# Altium PCB ADV7611采集卡.PcbDoc (part 1 of 2) (continued)
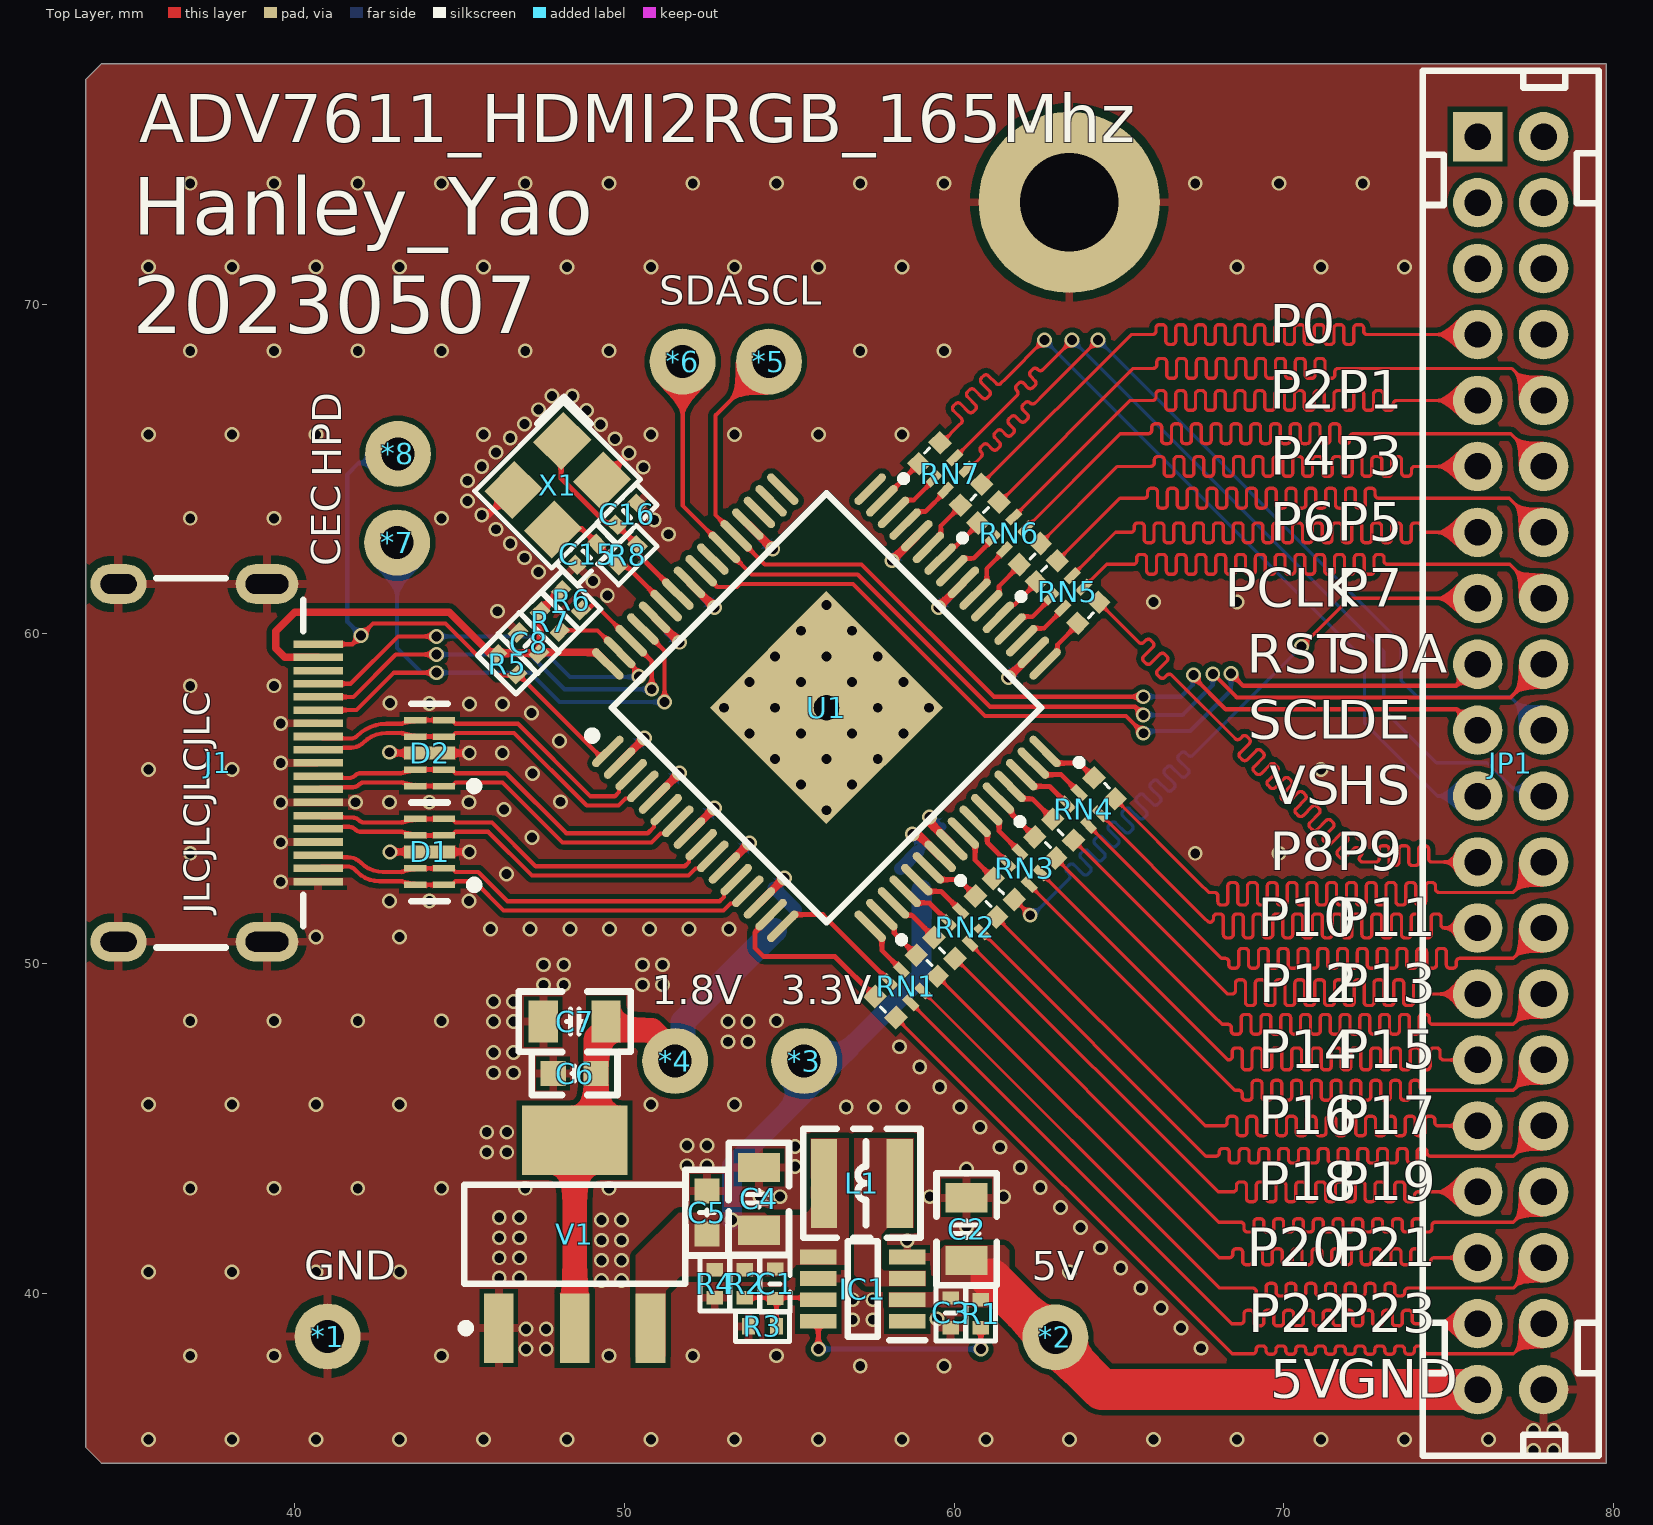
[diagram p0: Top Layer view]
## Footprints (in the part's own frame and the unit in brackets; to place one, negate y for a bottom-side part, rotate by r counter-clockwise, add the part's x,y. Pads: shape width x height; smd on the part's side, far side on the other; paste and mask are expansions set on the pad)
685119136923 [mm] "Mini HDMI SMT Horizontal"
  rect 0.23x1.5 smd: 1(3.6,4.25) 2(3.2,4.25) 3(2.8,4.25) 4(2.4,4.25) 5(2,4.25) 6(1.6,4.25) 7(1.2,4.25) 8(0.8,4.25) 9(0.4,4.25) 10(0,4.25) 11(-0.4,4.25) 12(-0.8,4.25) 13(-1.2,4.25) 14(-1.6,4.25) 15(-2,4.25) 16(-2.4,4.25) 17(-2.8,4.25) 18(-3.2,4.25) 19(-3.6,4.25)
  oval 1.2x1.9 hole 0.6 slot 1.3 at 90 deg: Shell(-5.425,2.7) Shell(5.425,2.7)
  oval 1.2x1.7 hole 0.6 slot 1.1 at 90 deg: Shell(-5.425,-1.8) Shell(5.425,-1.8)
  silkscreen extent -5.6,-0.65 5.6,3.8, body extent -5.62,-3.8 5.63,4.1, height 3.3
ADI-SW-64-2_L [mm] "LQFP, 64-Leads, Body 10.00x10.00mm, Pitch 0.50mm, Thermal Pad 5x5mm, IPC High Density"
  oval 1.25x0.25 smd: 1(-5.625,3.75) 2(-5.625,3.25) 3(-5.625,2.75) 4(-5.625,2.25) 5(-5.625,1.75) 6(-5.625,1.25) 7(-5.625,0.75) 8(-5.625,0.25) 9(-5.625,-0.25) 10(-5.625,-0.75) 11(-5.625,-1.25) 12(-5.625,-1.75) 13(-5.625,-2.25) 14(-5.625,-2.75) 15(-5.625,-3.25) 16(-5.625,-3.75) 33(5.625,-3.75) 34(5.625,-3.25) 35(5.625,-2.75) 36(5.625,-2.25) 37(5.625,-1.75) 38(5.625,-1.25) 39(5.625,-0.75) 40(5.625,-0.25) 41(5.625,0.25) 42(5.625,0.75) 43(5.625,1.25) 44(5.625,1.75) 45(5.625,2.25) 46(5.625,2.75) 47(5.625,3.25) 48(5.625,3.75)
  oval 0.25x1.25 smd: 17(-3.75,-5.625) 18(-3.25,-5.625) 19(-2.75,-5.625) 20(-2.25,-5.625) 21(-1.75,-5.625) 22(-1.25,-5.625) 23(-0.75,-5.625) 24(-0.25,-5.625) 25(0.25,-5.625) 26(0.75,-5.625) 27(1.25,-5.625) 28(1.75,-5.625) 29(2.25,-5.625) 30(2.75,-5.625) 31(3.25,-5.625) 32(3.75,-5.625) 49(3.75,5.625) 50(3.25,5.625) 51(2.75,5.625) 52(2.25,5.625) 53(1.75,5.625) 54(1.25,5.625) 55(0.75,5.625) 56(0.25,5.625) 57(-0.25,5.625) 58(-0.75,5.625) 59(-1.25,5.625) 60(-1.75,5.625) 61(-2.25,5.625) 62(-2.75,5.625) 63(-3.25,5.625) 64(-3.75,5.625)
  rect 5x5 smd: 65(0,0)
  rrect50% 1.524x1.524 hole 0.762: 65(0,0)
  silkscreen extent -5.75,-4.6 4.6,4.6, body extent -5,-5 5,5, height 1.6
C0402_L [mm] "无极性贴片电容"
  rect 0.4x0.5 smd: 1(-0.45,0) 2(0.45,0)
  silkscreen extent -0.85,-0.45 0.85,0.45, body extent -0.5,-0.26 0.5,0.26, height 0.54
C0603_L [mil] "无极性贴片电容"
  rect 30x30 smd: 1(-25.59,0) 2(25.59,0)
  silkscreen extent -51,-26 51,26, body extent -31,-16 32,16, height 33
C0805_L [mil] "无极性贴片电容"
  rect 35x50 smd: 1(-37.4,0) 2(37.4,0)
  silkscreen extent -67,-36 67,36, body extent -39,-24 39,24, height 22
EXB28V510JX [mm]
  rect 0.525x0.5 smd: 1(-0.888,-0.45) 4(0.888,-0.45) 5(0.888,0.45) 8(-0.888,0.45)
  rect 0.25x0.5 smd: 2(-0.25,-0.45) 3(0.25,-0.45) 6(0.25,0.45) 7(-0.25,0.45)
  silkscreen extent -1,-1.2 1,0.1, body extent -1,-0.5 1,0.5, height 0.35
FP-SLP2510P8-MFG [mm]
  rect 0.675x0.2 smd paste+0 mask+0: 1(-0.437,1) 2(-0.437,0.5) 4(-0.437,-0.5) 5(-0.437,-1) 6(0.437,-1) 7(0.437,-0.5) 9(0.437,0.5) 10(0.437,1)
  rect 1.55x0.4 smd paste+0 mask+0: 3-8(0,0)
  silkscreen extent -1.48,-1.5 0.55,1.5, body extent -0.87,-1.4 0.87,1.4, height 0.25
L0402 [mm] "小功率贴片电感"
  rect 0.4x0.5 smd: 1(-0.45,0) 2(0.45,0)
  silkscreen extent -0.85,-0.45 0.85,0.45, body extent -0.5,-0.25 0.5,0.25, height 0.5
NR3010 [mm] "3.0mm*3.0mm*1.0mm(长*宽*高）"
  rect 0.8x2.7 smd: 1(-1.15,0) 2(1.15,0)
  silkscreen extent -1.78,-1.65 1.78,1.65, body extent -1.5,-1.5 1.5,1.5, height 1.15
"OSC 3225-4P" [mm] "3.2*2.5*0.7mm(长宽高)"
  rect 1.3x1.2 smd: 1(-1.05,-0.85) 2(1.05,-0.85) 3(1.05,0.85) 4(-1.05,0.85)
  silkscreen extent -2.03,-1.75 1.91,1.65, body extent -1.6,-1.25 1.6,1.25, height 0.7
PHD2.0-LI-2x20P [mm] "40脚，长：42mm，宽：5mm，高：6.5mm"
  rect 1.5x1.5 hole 0.8: 1(-19,-1)
  round 1.5 hole 0.8: 2(-19,1) 3(-17,-1) 4(-17,1) 5(-15,-1) 6(-15,1) 7(-13,-1) 8(-13,1) 9(-11,-1) 10(-11,1) 11(-9,-1) 12(-9,1) 13(-7,-1) 14(-7,1) 15(-5,-1) 16(-5,1) 17(-3,-1) 18(-3,1) 19(-1,-1) 20(-1,1) 21(1,-1) 22(1,1) 23(3,-1) 24(3,1) 25(5,-1) 26(5,1) 27(7,-1) 28(7,1) 29(9,-1) 30(9,1) 31(11,-1) 32(11,1) 33(13,-1) 34(13,1) 35(15,-1) 36(15,1) 37(17,-1) 38(17,1) 39(19,-1) 40(19,1)
  silkscreen extent -21,-2.67 21,2.67, body extent -21,-2.5 21,2.5, height 6.55
R100 [mm] "R100探针焊盘"
  round 2 hole 1: 1(0,0)
R0402_L [mm] "1/16W贴片电阻"
  rect 0.4x0.5 smd: 1(-0.425,0) 2(0.425,0)
  silkscreen extent -0.82,-0.45 0.83,0.45, body extent -0.5,-0.25 0.5,0.25, height 0.3
SOP65P280X100-8N [mm]
  rect 1.1x0.45 smd: 1(-1.35,0.975) 2(-1.35,0.325) 3(-1.35,-0.325) 4(-1.35,-0.975) 5(1.35,-0.975) 6(1.35,-0.325) 7(1.35,0.325) 8(1.35,0.975)
  silkscreen extent -1.9,-1.45 0.45,1.55, body extent -1.4,-1.45 1.4,1.45, height 1
SOT223_L [mm] "SOT223, 4-Leads, Body 6.5x3.5mm, Pitch 2.3mm, Lead Span 7mm, IPC High Density"
  rect 2.1x0.9 smd: 1(-2.85,2.3) 2(-2.85,0) 3(-2.85,-2.3)
  rect 2.1x3.2 smd: 4(2.85,0)
  silkscreen extent -2.97,-3.35 1.5,3.42, body extent -3.51,-3.25 3.51,3.25, height 1.65

## Part data
*1 *2 *3 *4 *5 *6 *7 *8: "探针焊盘", BOM名称=探针焊盘, 联系卖家，免费查找封装=唯一出售店铺网址https://shop463601444.taobao.com
C1 C2 C3 C4 C5 C6 C7 C8 C9 C10 C11 C12 C13 C14 C15 C16 C17 C18 C19 C20 C21 C22 C23: library part C, "贴片电容", BOM名称=无极性贴片电容, 联系卖家，免费查找封装=唯一出售店铺网址https://shop463601444.taobao.com
D1 D2: "TVS DIODE 5V 15V SLP2510P8", Capacitance=0.8pF, Case/Package=SMD/SMT, Clamping Voltage=15V, Leakage Current=1uA, Max Operating Temperature=125°C, Min Breakdown Voltage=6V, Min Operating Temperature=-55°C, Peak Pulse Current=1A, Peak Pulse Power=150W, Power Line Protection=Yes, Reverse Standoff Voltage=5V, Clamping Voltage-Max=15V, Depth=1mm, Direction=Unidirectional, Length=2.5mm, Mount="Surface Mount", Number of Bidirectional Channels=4, Number of Pins=10, Number of Unidirectional Channels=4, Packaging="Tape and Reel", Radiation Hardening=No, RoHS Compliant=Yes, Series=RailClamp®, Working Voltage=5V
FB1 FB2: library part L, "磁珠", BOM名称=小功率贴片电感, 封装库来自淘宝卖家ID：黄晶宝石=其他店铺购入均为盗版假冒封装库，请立即申请退款, 联系卖家，免费查找封装=唯一出售店铺网址https://shop463601444.taobao.com
IC1: "Integrated Circuit", Manufacturer_Name="Monolithic Power Systems (MPS)", Mouser Part Number=946-MP2143DJLFZ, Datasheet Link=https://www.mouser.com/ds/2/277/MP2143_r1.07-371732.pdf, Height=1mm, Manufacturer_Part_Number=MP2143DJ-LF-Z, Mouser Price/Stock=https://www.mouser.co.uk/ProductDetail/Monolithic-Power-Systems-MPS/MP2143DJ-LF-Z?qs=QEkzKklKf2Sh6e0cSbvEyA%3D%3D
J1: library part CMP-1502-00171-1, "Mini HDMI Type C Receptacle WR-COM, Horizontal, SMT", Contact Resistance=30mOhm, Manufacturer="Wurth Elektronik", Operating Temperature=-25to85degC, Rated Current=0.5A, Working Voltage=40VAC, Connector Type=MiniHDMITypeC, Datasheet URL=https://katalog.we-online.de/em/datasheet/685119136923.pdf, Gender=Receptacle, Manufacturer URL=http://www.we-online.de, Mounting Technology=SMT, Orientation=Horizontal, Package Reference=685119136923, Packaging=TapeandReel, Part Number=685119136923, Publisher=WurthElektronik
JP1: library part "Header 20X2", "20*2P接插件", BOM名称=20*2P接插件, 封装库来自淘宝卖家 ID：黄晶宝石=其他店铺购入均为盗版假冒封装库
L1: library part L-NR, "太诱-NR磁胶电感", 0.0_BOM名称=NR磁胶电感, 1.库作者=冰凌猫, 2.库版本="v2.0 (2021.03.30)", 3.交流分享=Q群514746572,开源更新,欢迎一起交流学习PCB设计, 4.作者声明=旨为整合最全库集,欢迎转载,禁止商用！-冰凌猫, 5.备注说明=该库已二次整合过网上各热销库,基本最全,无需重复搜购安装
R1 R2 R3 R4 R5 R6 R7 R8: library part R, "贴片电阻", BOM名称=贴片电阻, 封装库来自淘宝卖家ID：黄晶宝石=其他店铺购入均为盗版假冒封装库，请立即申请退款, 联系卖家，免费查找封装=唯一出售店铺网址https://shop463601444.taobao.com
RN1 RN2 RN3 RN4 RN5 RN6 RN7: library part 0804, "Resistor Network", Arrow Part Number=EXB-28V330JX, Manufacturer_Name=Panasonic, Mouser Part Number=667-EXB-28V330JX, Arrow Price/Stock=https://www.arrow.com/en/products/exb28v330jx/panasonic?region=nac, Datasheet Link=https://industrial.panasonic.com/cdbs/www-data/pdf/AOC0000/AOC0000C14.pdf, Height=0mm, Manufacturer_Part_Number=EXB-28V330JX, Mouser Price/Stock=https://www.mouser.co.uk/ProductDetail/Panasonic/EXB-28V330JX?qs=oE3VwAv%2FYtn71VsKkW8DQQ%3D%3D
U1: library part CMP-1517-00002-1, "Low Power HDMI Receiver, 165 MHz, 1.71 to 1.89 V, -40 to 85 degC, 64-Pin LQFP_EP (SW-64-2), RoHS, Tray", Manufacturer="Analog Devices", PartNumber=ADV7611BSWZ-P, Temperature Range="-40 to 85 degC", TMDS Clock Frequency="165 MHz Max.", CIN="10 pF Max.", ComponentLink1Description="Manufacturer URL", ComponentLink1URL=http://www.analog.com/en/index.html, ComponentLink2Description=Datasheet, ComponentLink2URL=http://www.analog.com/static/imported-files/data_sheets/ADV7611.pdf, ComponentLink3Description="Package Specification", ComponentLink3URL=http://www.analog.com/static/imported-files/packages/PKG_PDF/LQFP_ED(SW)/SW_64_2.pdf, COUT="20 pF Max.", DatasheetVersion="Rev. D", DVDD="1.71 to 1.89 V", Mounting Technology="Surface Mount", PackageDescription="64-Pin Low-Profile Quad Flat Package, Body 10 x 10 mm, Pitch 0.5 mm", PackageReference=SW-64-2, PackageVersion=Mar-10, Packing=Tray, RoHS=TRUE, VIH="1.2 V Min."
V1: library part LD1117, "三端稳压芯片", BOM名称=稳压芯片, 封装库来自淘宝卖家 ID：黄晶宝石=其他店铺购入均为盗版，请立即申请退款，本店现金奖励5~20元, 联系卖家 免费查找封装=唯一出售店铺网址https://shop463601444.taobao.com
X1: library part XTAL-4P, "4脚无源晶振", BOM名称=4脚无源晶振, 联系卖家，免费查找封装=唯一出售店铺网址https://shop463601444.taobao.com

## Free pads (board coordinates)
  round 5.5 hole 3: 1(63.49,73.086)

## Via types
v1: diameter 0.45, hole 0.3, Top Layer to Bottom Layer, tented both sides, 306 vias

## Nets (pads, with @x,y where several pads share a name; then routed paths per layer and width w, separated by ;. In a path a pad name is that pad's centre, name@x,y a point inside that pad or via, vN(x,y) a via of type N, cw(c..) or ccw(c..) an arc to the next point about the centre after c; other vN are vias at no path point)
7611_S_RST: JP1.17 U1.56 | length 27.1
  Top Layer w0.127: U1.56@52.325,61.911 52.819,61.417 53.416,61.417 53.506,61.507 56.933,61.507 60.935,57.506 65.211,57.506 v1(65.735,56.981) ; v1(68.393,58.793) 68.766,58.42 75.223,58.42 JP1.17@75.876,59.074
  Bottom Layer w0.127: v1(65.735,56.981) 65.823,56.981 65.89,57.048 67.158,57.048 68.393,58.284 v1(68.393,58.793)
ADV7611_DE: RN7.3 U1.45 | length 1.7
  Top Layer w0.135: U1.45@58.512,63.325 58.888,63.7 59.124,63.7 59.738,64.314 RN7.3@59.738,64.35
ADV7611_HS: RN7.2 U1.46 | length 1.7
  Top Layer w0.135: U1.46@58.159,63.678 58.534,64.054 58.771,64.054 59.384,64.667 RN7.2@59.384,64.703
ADV7611_P0: RN7.4 U1.43 | length 1.7
  Top Layer w0.135: U1.43@59.219,62.618 59.595,62.993 59.595,63.269 60.189,63.863 RN7.4@60.189,63.898
ADV7611_P1: RN6.1 U1.42 | length 1.6
  Top Layer w0.135: U1.42@59.573,62.264 59.949,62.64 60.041,62.64 60.721,63.32 RN6.1@60.721,63.356
ADV7611_P2: RN6.2 U1.41 | length 1.7
  Top Layer w0.135: U1.41@59.927,61.911 60.302,62.286 60.589,62.286 61.172,62.869 RN6.2@61.172,62.905
ADV7611_P3: RN6.3 U1.39 | length 1.7
  Top Layer w0.135: U1.39@60.634,61.204 60.987,61.557 60.987,61.977 61.526,62.515 RN6.3@61.526,62.551
ADV7611_P4: RN6.4 U1.38 | length 1.7
  Top Layer w0.135: U1.38@60.987,60.85 61.363,61.226 61.363,61.45 61.977,62.064 RN6.4@61.977,62.1
ADV7611_P5: RN5.1 U1.37 | length 1.6
  Top Layer w0.135: U1.37@61.341,60.496 61.716,60.872 61.824,60.872 62.491,61.54 RN5.1@62.491,61.576
ADV7611_P6: RN5.2 U1.36 | length 1.7
  Top Layer w0.135: U1.36@61.694,60.143 62.07,60.518 62.372,60.518 62.942,61.089 RN5.2@62.942,61.124
ADV7611_P7: RN5.3 U1.35 | length 1.7
  Top Layer w0.135: U1.35@62.048,59.789 62.423,60.165 62.726,60.165 63.296,60.735 RN5.3@63.296,60.771
ADV7611_P8: RN5.4 U1.33 | length 1.6
  Top Layer w0.135: U1.33@62.755,59.082 63.131,59.458 63.131,59.667 63.747,60.284 RN5.4@63.747,60.32
ADV7611_P9: RN4.1 U1.32 | length 1.8
  Top Layer w0.152: U1.32@62.755,56.431 63.109,56.077 63.792,56.077 RN4.1@64.24,55.629
ADV7611_P10: RN4.2 U1.31 | length 1.8
  Top Layer w0.152: U1.31@62.401,56.077 62.755,55.723 63.243,55.723 RN4.2@63.789,55.177
ADV7611_P11: RN4.3 U1.30 | length 1.8
  Top Layer w0.152: U1.30@62.048,55.723 62.401,55.37 62.889,55.37 RN4.3@63.435,54.824
ADV7611_P12: RN4.4 U1.29 | length 1.7
  Top Layer w0.152: U1.29@61.694,55.37 62.07,54.994 62.363,54.994 RN4.4@62.984,54.373
ADV7611_P13: RN3.1 U1.28 | length 1.6
  Top Layer w0.152: U1.28@61.341,55.016 61.716,54.641 61.716,54.56 RN3.1@62.444,53.832
ADV7611_P14: RN3.2 U1.27 | length 1.7
  Top Layer w0.152: U1.27@60.987,54.663 61.363,54.287 61.363,54.011 RN3.2@61.993,53.381
ADV7611_P15: RN3.3 U1.26 | length 1.7
  Top Layer w0.152: U1.26@60.634,54.309 61.009,53.934 61.009,53.658 RN3.3@61.639,53.028
ADV7611_P16: RN2.1 U1.22 | length 1.8
  Top Layer w0.152: U1.22@59.219,52.895 59.573,52.541 60.149,52.541 RN2.1@60.646,52.044
ADV7611_P17: RN2.2 U1.21 | length 1.7
  Top Layer w0.152: U1.21@58.866,52.541 59.219,52.188 59.6,52.188 RN2.2@60.195,51.593
ADV7611_P18: RN2.3 U1.20 | length 1.7
  Top Layer w0.152: U1.20@58.512,52.188 58.866,51.834 59.246,51.834 RN2.3@59.841,51.24
ADV7611_P19: RN2.4 U1.19 | length 1.7
  Top Layer w0.152: U1.19@58.159,51.834 58.534,51.459 58.72,51.459 RN2.4@59.39,50.789
ADV7611_P20: RN1.1 U1.18 | length 1.7
  Top Layer w0.152: U1.18@57.805,51.481 58.181,51.105 58.181,50.924 RN1.1@58.853,50.252
ADV7611_P21: RN1.2 U1.17 | length 1.7
  Top Layer w0.152: U1.17@57.452,51.127 57.805,50.774 57.805,50.397 RN1.2@58.402,49.801
ADV7611_P22: RN1.3 U1.16 | length 4.2
  Top Layer w0.152: U1.16@54.8,51.127 55.154,51.481 56.015,51.481 RN1.3@58.048,49.447
ADV7611_P23: RN1.4 U1.15 | length 5.5
  Top Layer w0.152: U1.15@54.446,51.481 54.446,51.454 54.044,51.052 54.044,51.033 53.952,50.941 53.952,50.476 54.221,50.207 56.387,50.207 RN1.4@57.597,48.996
ADV7611_PCLK: RN3.4 U1.25 | length 1.8
  Top Layer w0.152: U1.25@60.28,53.956 60.634,53.602 60.634,53.131 RN3.4@61.188,52.577
ADV7611_VS: RN7.1 U1.47 | length 1.6
  Top Layer w0.135: U1.47@57.805,64.032 58.928,65.154 RN7.1@58.933,65.154
GND: *1.1 C2.1 C3.1 C4.1 C5.1 C6.1 C7.1 C8.1 C9.1 C10.1 C11.1 C12.1 C13.1 C14.1 C15.2 C16.2 C17.1 C18.1 C19.1 C20.1 C21.1 C22.1 C23.1 D1.3-8 D2.3-8 IC1.4 IC1.6 J1.1 J1.4 J1.7 J1.10 J1.13 J1.Shell JP1.40 pad.1 R3.1 R4.1 U1.65 V1.1 X1.2 X1.4 | length 6.9
  Top Layer w0.2: v1(42.883,53.383) D1.3-8@44.089,53.383 v1(45.294,53.383) ; v1@42.883,56.38 D2.3-8@44.089,56.38 v1(45.294,56.38) ; v1@45.893,63.627 X1.2@46.628,64.362 ; X1.4@49.315,64.645 v1@50.05,65.38
  other v1: 77.572,35.23 78.181,35.23 35.56,35.56 38.1,35.56 40.64,35.56 43.18,35.56 45.72,35.56 48.26,35.56 50.8,35.56 53.34,35.56 55.88,35.56 58.42,35.56 60.96,35.56 63.5,35.56 66.04,35.56 68.58,35.56 71.12,35.56 73.66,35.56 76.2,35.56 77.572,35.839 78.181,35.839 57.15,37.795 59.69,37.795 36.83,38.1 39.37,38.1 44.45,38.1 49.53,38.1 52.07,38.1 54.61,38.1 47.015,38.303 47.625,38.303 67.488,38.329 47.015,38.913 47.625,38.913 66.878,38.938 56.921,39.192 57.531,39.192 59.48,39.215 66.269,39.548 56.921,39.802 57.531,39.802 65.659,40.157 49.301,40.386 49.911,40.386 46.203,40.462 46.812,40.462 35.56,40.64 38.1,40.64 40.64,40.64 43.18,40.64 63.5,40.64 65.049,40.767 49.301,40.996 49.911,40.996 46.203,41.072 46.812,41.072 64.44,41.377 58.574,41.592 49.301,41.605 49.911,41.605 46.203,41.681 46.812,41.681 63.83,41.986 60.376,42.012 49.301,42.215 49.911,42.215 46.203,42.291 46.812,42.291 63.221,42.596 54.102,42.926 54.712,42.926 59.258,42.926 61.493,42.926 36.83,43.18 39.37,43.18 41.91,43.18 44.45,43.18 46.99,43.18 49.53,43.18 62.611,43.205 60.376,43.771 62.001,43.815 55.169,43.84 51.892,43.866 52.502,43.866 45.822,44.272 46.431,44.272 61.392,44.425 55.169,44.45 51.892,44.475 52.502,44.475 45.822,44.882 46.431,44.882 60.782,45.034 56.724,45.644 57.586,45.644 58.448,45.644 60.173,45.644 35.56,45.72 38.1,45.72 40.64,45.72 43.18,45.72 50.8,45.72 53.34,45.72 59.563,46.253 46.025,46.685 46.634,46.685 58.953,46.863 46.025,47.295 46.634,47.295 58.344,47.473 53.137,47.625 53.746,47.625 46.025,48.235 46.634,48.235 53.137,48.235 53.746,48.235 36.83,48.26 39.37,48.26 41.91,48.26 44.45,48.26 54.61,48.26 46.025,48.844 46.634,48.844 47.549,49.352 48.158,49.352 50.546,49.352 51.156,49.352 47.549,49.962 48.158,49.962 50.546,49.962 51.156,49.962 40.64,50.8 43.18,50.8 45.933,51.04 47.139,51.04 48.344,51.04 49.55,51.04 50.755,51.04 51.961,51.04 53.166,51.04 42.875,51.892 44.081,51.892 45.286,51.892 39.573,52.477 46.42,52.716 36.83,53.34 67.31,53.34 69.85,53.34 39.573,53.677 47.196,53.82 56.126,54.645 46.344,54.672 39.573,54.877 41.841,54.889 42.875,54.889 44.081,54.889 45.286,54.889 48.062,54.903 55.348,55.423 56.904,55.423 47.21,55.756 35.56,55.88 38.1,55.88 71.12,55.88 39.573,56.077 54.57,56.201 56.126,56.201 57.681,56.201 46.294,56.38 42.875,56.405 48.031,56.744 53.792,56.979 55.348,56.979 56.904,56.979 58.459,56.979 39.573,57.277 47.179,57.596 53.015,57.756 54.57,57.756 57.681,57.756 59.237,57.756 45.302,57.871 46.302,57.871 42.883,57.896 44.081,57.887 36.83,58.42 39.37,58.42 53.792,58.534 55.348,58.534 56.904,58.534 58.459,58.534 54.57,59.312 56.126,59.312 57.681,59.312 55.348,60.09 56.904,60.09 46.152,60.681 56.126,60.868 66.04,60.96 68.58,60.96 49.479,61.163 49.048,61.594 47.396,61.874 46.965,62.305 46.534,62.737 51.333,63.017 46.103,63.168 50.902,63.448 36.83,63.5 39.37,63.5 44.45,63.5 45.672,63.599 45.241,64.03 45.241,64.639 50.571,65.049 45.672,65.07 50.14,65.48 46.103,65.501 49.709,65.912 46.534,65.932 35.56,66.04 38.1,66.04 40.64,66.04 45.72,66.04 50.8,66.04 53.34,66.04 55.88,66.04 58.42,66.04 49.278,66.343 46.965,66.363 48.847,66.774 47.396,66.795 47.807,67.205 48.416,67.205 36.83,68.58 39.37,68.58 41.91,68.58 44.45,68.58 46.99,68.58 49.53,68.58 57.15,68.58 59.69,68.58 35.56,71.12 38.1,71.12 40.64,71.12 43.18,71.12 45.72,71.12 48.26,71.12 50.8,71.12 53.34,71.12 55.88,71.12 58.42,71.12 68.58,71.12 71.12,71.12 73.66,71.12 36.83,73.66 39.37,73.66 41.91,73.66 44.45,73.66 46.99,73.66 49.53,73.66 52.07,73.66 54.61,73.66 57.15,73.66 59.69,73.66 67.31,73.66 69.85,73.66 72.39,73.66
HDMI2RGB_DE: JP1.20 RN7.6 | length 26.8
  Top Layer w0.1: RN7.6@60.374,64.986 60.439,64.986 60.782,65.329 60.818,65.364 ccw(c60.743,65.438) 60.818,65.513 60.813,65.517 cw(c60.887,65.592) 60.813,65.666 60.877,65.729 cw(c60.951,65.655) 61.025,65.729 61.158,65.597 ccw(c61.232,65.671) 61.306,65.597 61.37,65.66 ccw(c61.296,65.735) 61.37,65.809 61.237,65.942 cw(c61.311,66.016) 61.237,66.09 61.301,66.154 cw(c61.375,66.079) 61.449,66.154 61.582,66.021 ccw(c61.656,66.095) 61.731,66.021 61.794,66.085 ccw(c61.72,66.159) 61.794,66.233 61.661,66.366 cw(c61.736,66.44) 61.661,66.514 61.725,66.578 cw(c61.799,66.504) 61.874,66.578 62.006,66.445 ccw(c62.081,66.519) 62.155,66.445 62.219,66.509 ccw(c62.144,66.583) 62.219,66.657 62.086,66.79 cw(c62.16,66.864) 62.086,66.939 62.149,67.002 cw(c62.224,66.928) 62.298,67.002 62.302,66.998 ccw(c62.377,67.072) 62.451,66.998 62.715,67.261 v1(64.364,68.91)
  Bottom Layer w0.1: v1(64.364,68.91) 73.558,59.715 73.558,58.572 74.041,58.09 76.86,58.09 JP1.20@77.876,57.074
HDMI2RGB_HS: JP1.22 RN7.7 | length 27
  Top Layer w0.1: RN7.7@60.02,65.34 61.869,67.188 61.904,67.223 ccw(c61.83,67.297) 61.904,67.372 61.892,67.384 cw(c61.966,67.458) 61.892,67.532 61.956,67.596 cw(c62.03,67.521) 62.104,67.596 62.236,67.464 ccw(c62.311,67.538) 62.385,67.464 62.448,67.527 ccw(c62.374,67.602) 62.448,67.676 62.316,67.808 cw(c62.391,67.882) 62.316,67.956 62.38,68.02 cw(c62.454,67.946) 62.528,68.02 62.54,68.008 ccw(c62.615,68.082) 62.689,68.008 62.983,68.302 63.576,68.895 v1(63.576,68.91)
  Bottom Layer w0.1: v1(63.576,68.91) 73.025,59.461 73.025,57.683 74.625,56.083 76.159,56.083 76.936,55.306 77.644,55.306 JP1.22@77.876,55.074
HDMI2RGB_P0: JP1.7 RN7.5 | length 27.5
  Top Layer w0.1: RN7.5@60.825,64.535 65.364,69.074 65.964,69.074 66.014,69.074 ccw(c66.014,69.179) 66.119,69.179 66.119,69.269 cw(c66.224,69.269) 66.224,69.374 66.314,69.374 cw(c66.314,69.269) 66.419,69.269 66.419,68.879 ccw(c66.524,68.879) 66.524,68.774 66.614,68.774 ccw(c66.614,68.879) 66.719,68.879 66.719,69.269 cw(c66.824,69.269) 66.824,69.374 66.914,69.374 cw(c66.914,69.269) 67.019,69.269 67.019,68.879 ccw(c67.124,68.879) 67.124,68.774 67.214,68.774 ccw(c67.214,68.879) 67.319,68.879 67.319,69.269 cw(c67.424,69.269) 67.424,69.374 67.514,69.374 cw(c67.514,69.269) 67.619,69.269 67.619,68.879 ccw(c67.724,68.879) 67.724,68.774 67.814,68.774 ccw(c67.814,68.879) 67.919,68.879 67.919,69.269 cw(c68.024,69.269) 68.024,69.374 68.114,69.374 cw(c68.114,69.269) 68.219,69.269 68.219,68.879 ccw(c68.324,68.879) 68.324,68.774 68.414,68.774 ccw(c68.414,68.879) 68.519,68.879 68.519,69.269 cw(c68.624,69.269) 68.624,69.374 68.714,69.374 cw(c68.714,69.269) 68.819,69.269 68.819,68.879 ccw(c68.924,68.879) 68.924,68.774 69.014,68.774 ccw(c69.014,68.879) 69.119,68.879 69.119,69.269 cw(c69.224,69.269) 69.224,69.374 69.314,69.374 cw(c69.314,69.269) 69.419,69.269 69.419,68.879 ccw(c69.524,68.879) 69.524,68.774 69.614,68.774 ccw(c69.614,68.879) 69.719,68.879 69.719,69.269 cw(c69.824,69.269) 69.824,69.374 69.914,69.374 cw(c69.914,69.269) 70.019,69.269 70.019,68.879 ccw(c70.124,68.879) 70.124,68.774 70.214,68.774 ccw(c70.214,68.879) 70.319,68.879 70.319,69.269 cw(c70.424,69.269) 70.424,69.374 70.514,69.374 cw(c70.514,69.269) 70.619,69.269 70.619,68.879 ccw(c70.724,68.879) 70.724,68.774 70.814,68.774 ccw(c70.814,68.879) 70.919,68.879 70.919,69.269 cw(c71.024,69.269) 71.024,69.374 71.114,69.374 cw(c71.114,69.269) 71.219,69.269 71.219,68.879 ccw(c71.324,68.879) 71.324,68.774 71.414,68.774 ccw(c71.414,68.879) 71.519,68.879 71.519,69.269 cw(c71.624,69.269) 71.624,69.374 71.714,69.374 cw(c71.714,69.269) 71.819,69.269 71.819,68.879 ccw(c71.924,68.879) 71.924,68.774 72.014,68.774 ccw(c72.014,68.879) 72.119,68.879 72.119,69.269 cw(c72.224,69.269) 72.224,69.374 72.314,69.374 cw(c72.314,69.269) 72.419,69.269 72.419,69.179 ccw(c72.524,69.179) 72.524,69.074 72.695,69.074 JP1.7@75.876,69.074
HDMI2RGB_P1: JP1.10 RN6.8 | length 27.7
  Top Layer w0.1: RN6.8@61.357,63.992 61.375,63.992 65.429,68.047 65.989,68.047 66.039,68.047 ccw(c66.039,68.152) 66.144,68.152 66.144,68.242 cw(c66.249,68.242) 66.249,68.347 66.339,68.347 cw(c66.339,68.242) 66.444,68.242 66.444,67.852 ccw(c66.549,67.852) 66.549,67.747 66.639,67.747 ccw(c66.639,67.852) 66.744,67.852 66.744,68.242 cw(c66.849,68.242) 66.849,68.347 66.939,68.347 cw(c66.939,68.242) 67.044,68.242 67.044,67.852 ccw(c67.149,67.852) 67.149,67.747 67.239,67.747 ccw(c67.239,67.852) 67.344,67.852 67.344,68.242 cw(c67.449,68.242) 67.449,68.347 67.539,68.347 cw(c67.539,68.242) 67.644,68.242 67.644,67.852 ccw(c67.749,67.852) 67.749,67.747 67.839,67.747 ccw(c67.839,67.852) 67.944,67.852 67.944,68.242 cw(c68.049,68.242) 68.049,68.347 68.139,68.347 cw(c68.139,68.242) 68.244,68.242 68.244,67.852 ccw(c68.349,67.852) 68.349,67.747 68.439,67.747 ccw(c68.439,67.852) 68.544,67.852 68.544,68.242 cw(c68.649,68.242) 68.649,68.347 68.739,68.347 cw(c68.739,68.242) 68.844,68.242 68.844,67.852 ccw(c68.949,67.852) 68.949,67.747 69.039,67.747 ccw(c69.039,67.852) 69.144,67.852 69.144,68.242 cw(c69.249,68.242) 69.249,68.347 69.339,68.347 cw(c69.339,68.242) 69.444,68.242 69.444,67.852 ccw(c69.549,67.852) 69.549,67.747 69.639,67.747 ccw(c69.639,67.852) 69.744,67.852 69.744,68.242 cw(c69.849,68.242) 69.849,68.347 69.939,68.347 cw(c69.939,68.242) 70.044,68.242 70.044,67.852 ccw(c70.149,67.852) 70.149,67.747 70.239,67.747 ccw(c70.239,67.852) 70.344,67.852 70.344,68.242 cw(c70.449,68.242) 70.449,68.347 70.539,68.347 cw(c70.539,68.242) 70.644,68.242 70.644,67.852 ccw(c70.749,67.852) 70.749,67.747 70.839,67.747 ccw(c70.839,67.852) 70.944,67.852 70.944,68.242 cw(c71.049,68.242) 71.049,68.347 71.139,68.347 cw(c71.139,68.242) 71.244,68.242 71.244,67.852 ccw(c71.349,67.852) 71.349,67.747 71.439,67.747 ccw(c71.439,67.852) 71.544,67.852 71.544,67.942 cw(c71.649,67.942) 71.649,68.047 71.984,68.047 76.904,68.047 JP1.10@77.876,67.074